# Altium PCB RFSoC-AMC.PcbDoc (part 6 of 12)
Units mm, origin at the board's own origin, x right, y up, seen from the top; angles counter-clockwise.
Board outline 180.55 x 148.45 mm, 10 copper layers (Layer 1, Layer 2, Layer 3, Layer 4, Layer 5, Layer 6, Layer 7, Layer 8, Layer 9, Layer 10), stack 1.544 mm thick; 793 components, 796 nets, 7654 pads, 16 vias.
Unrouted connection lines stored in the file: 2880.
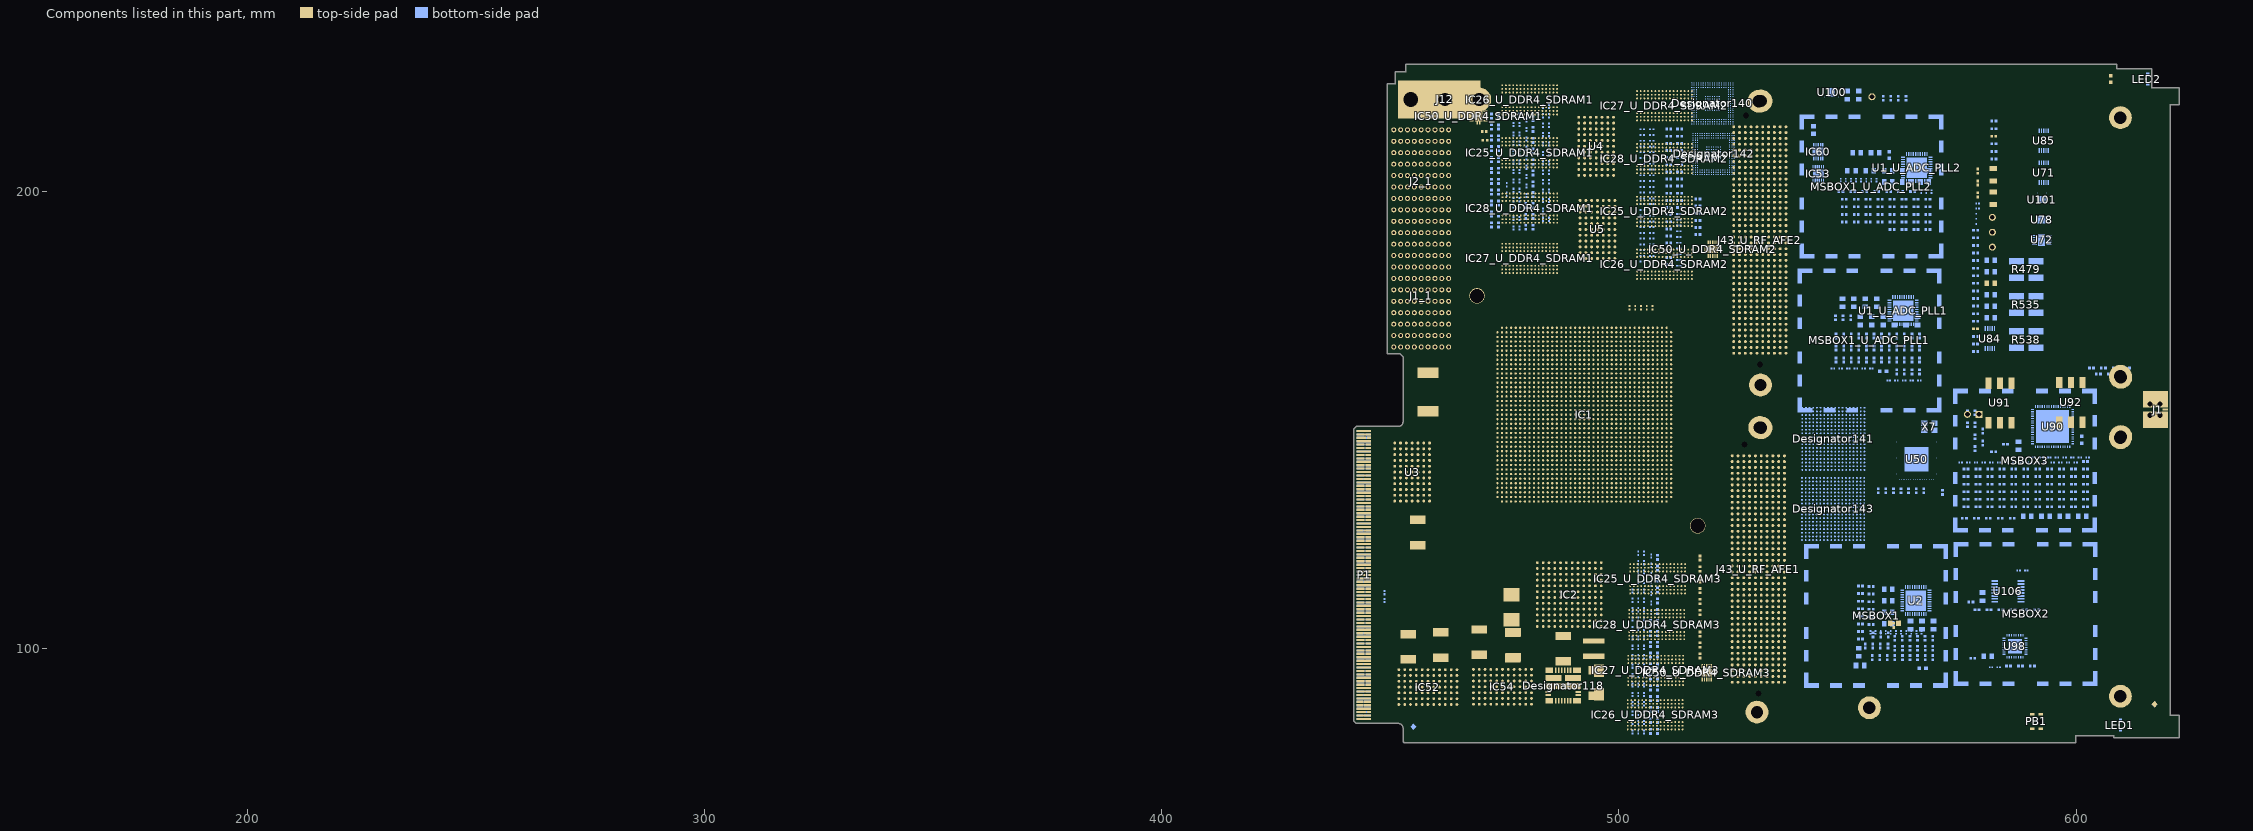
[diagram p14: the components of this part, seen from the top]

## Via types
v1: diameter 0.61, hole 0.3, Layer 1 to Layer 10, 11 vias
v2: diameter 0.51, hole 0.25, Layer 1 to Layer 10, 3 vias
v3: diameter 0.48, hole 0.25, Layer 1 to Layer 10, 2 vias

## Nets (pads, with @x,y where several pads share a name; then routed paths per layer and width w, separated by ;. In a path a pad name is that pad's centre, name@x,y a point inside that pad or via, vN(x,y) a via of type N, cw(c..) or ccw(c..) an arc to the next point about the centre after c; other vN are vias at no path point) (continued)
pads on no net: B1A.1 B1B.1 B2A.1 B2B.1 B3A.1 B3B.1 B4A.1 B4B.1 C755.1 C755.2 C819.1 C819.2 C1031.2 C1034.2 Designator110.1 Designator110.2 Designator118.1 Designator118.2 Designator118.3 Designator118.4 Designator118.5 Designator118.6 Designator118.7 Designator118.8 Designator118.9 Designator118.10 Designator118.11 Designator118.12 Designator118.13 Designator118.14 Designator118.15 Designator118.16 Designator118.17 Designator118.18 Designator118.19 Designator118.20 Designator118.21 Designator118.22 Designator118.23 Designator118.24 Designator119.1 Designator119.2 Designator120.1 Designator120.2 Designator121.1 Designator121.2 Designator122.1 Designator122.2 Designator123.1 Designator123.2 Designator140.A1 Designator140.A2 Designator140.A3 Designator140.A4 Designator140.A5 Designator140.A6 Designator140.A7 Designator140.A8 Designator140.A9 Designator140.A10 Designator140.A11 Designator140.A12 Designator140.A13 Designator140.A14 Designator140.A15 Designator140.A16 Designator140.A17 Designator140.A18 Designator140.A19 Designator140.B1 Designator140.B2 Designator140.B3 Designator140.B4 Designator140.B5 Designator140.B6 Designator140.B7 Designator140.B8 Designator140.B9 Designator140.B10 Designator140.B11 Designator140.B12 Designator140.B13 Designator140.B14 Designator140.B15 Designator140.B16 Designator140.B17 Designator140.B18 Designator140.B19 Designator140.C1 Designator140.C2 Designator140.C3 Designator140.C4 Designator140.C5 Designator140.C6 Designator140.C7 Designator140.C8 Designator140.C9 Designator140.C10 Designator140.C11 Designator140.C12 Designator140.C13 Designator140.C14 Designator140.C15 Designator140.C16 Designator140.C17 Designator140.C18 Designator140.C19 Designator140.D1 Designator140.D2 Designator140.D3 Designator140.D17 Designator140.D18 Designator140.D19 Designator140.E1 Designator140.E2 Designator140.E3 Designator140.E17 Designator140.E18 Designator140.E19 Designator140.F1 Designator140.F2 Designator140.F3 Designator140.F17 Designator140.F18 Designator140.F19 Designator140.G1 Designator140.G2 Designator140.G3 Designator140.G7 Designator140.G8 Designator140.G9 Designator140.G10 Designator140.G11 Designator140.G12 Designator140.G13 Designator140.G17 Designator140.G18 Designator140.G19 Designator140.H1 Designator140.H2 Designator140.H3 Designator140.H7 Designator140.H8 Designator140.H9 Designator140.H10 Designator140.H11 Designator140.H12 Designator140.H13 Designator140.H17 Designator140.H18 Designator140.H19 Designator140.J1 Designator140.J2 Designator140.J3 Designator140.J7 Designator140.J8 Designator140.J9 Designator140.J10 Designator140.J11 Designator140.J12 Designator140.J13 Designator140.J17 Designator140.J18 Designator140.J19 Designator140.K1 Designator140.K2 Designator140.K3 Designator140.K7 Designator140.K8 Designator140.K12 Designator140.K13 Designator140.K17 Designator140.K18 Designator140.K19 Designator140.L1 Designator140.L2 Designator140.L3 Designator140.L7 Designator140.L8 Designator140.L9 Designator140.L10 Designator140.L11 Designator140.L12 Designator140.L13 Designator140.L17 Designator140.L18 Designator140.L19 Designator140.M1 Designator140.M2 Designator140.M3 Designator140.M7 Designator140.M8 Designator140.M9 Designator140.M10 Designator140.M11 Designator140.M12 Designator140.M13 Designator140.M17 Designator140.M18 Designator140.M19 Designator140.N1 Designator140.N2 Designator140.N3 Designator140.N7 Designator140.N8 Designator140.N9 Designator140.N10 Designator140.N11 Designator140.N12 Designator140.N13 Designator140.N17 Designator140.N18 Designator140.N19 Designator140.P1 Designator140.P2 Designator140.P3 Designator140.P17 Designator140.P18 Designator140.P19 Designator140.R1 Designator140.R2 Designator140.R3 Designator140.R17 Designator140.R18 Designator140.R19 Designator140.T1 Designator140.T2 Designator140.T3 Designator140.T17 Designator140.T18 Designator140.T19 Designator140.U1 Designator140.U2 Designator140.U3 Designator140.U4 Designator140.U5 Designator140.U6 Designator140.U7 Designator140.U8 Designator140.U9 Designator140.U10 Designator140.U11 Designator140.U12 Designator140.U13 Designator140.U14 Designator140.U15 Designator140.U16 Designator140.U17 Designator140.U18 Designator140.U19 Designator140.V1 Designator140.V2 Designator140.V3 Designator140.V4 Designator140.V5 Designator140.V6 Designator140.V7 Designator140.V8 Designator140.V9 Designator140.V10 Designator140.V11 Designator140.V12 Designator140.V13 Designator140.V14 Designator140.V15 Designator140.V16 Designator140.V17 Designator140.V18 Designator140.V19 Designator140.W1 Designator140.W2 Designator140.W3 Designator140.W4 Designator140.W5 Designator140.W6 Designator140.W7 Designator140.W8 Designator140.W9 Designator140.W10 Designator140.W11 Designator140.W12 Designator140.W13 Designator140.W14 Designator140.W15 Designator140.W16 Designator140.W17 Designator140.W18 Designator140.W19 Designator141.A1 Designator141.A2 Designator141.A3 Designator141.A4 Designator141.A5 Designator141.A6 Designator141.A7 Designator141.A8 Designator141.A9 Designator141.A10 Designator141.A11 Designator141.A12 Designator141.A13 Designator141.A14 Designator141.A15 Designator141.A16 Designator141.A17 Designator141.A18 Designator141.B1 Designator141.B2 Designator141.B3 Designator141.B4 Designator141.B5 Designator141.B6 Designator141.B7 Designator141.B8 Designator141.B9 Designator141.B10 Designator141.B11 Designator141.B12 Designator141.B13 Designator141.B14 Designator141.B15 Designator141.B16 Designator141.B17 Designator141.B18 Designator141.C1 Designator141.C2 Designator141.C3 Designator141.C4 Designator141.C5 Designator141.C6 Designator141.C7 Designator141.C8 Designator141.C9 Designator141.C10 Designator141.C11 Designator141.C12 Designator141.C13 Designator141.C14 Designator141.C15 Designator141.C16 Designator141.C17 Designator141.C18 Designator141.D1 Designator141.D2 Designator141.D3 Designator141.D4 Designator141.D5 Designator141.D6 Designator141.D7 Designator141.D8 Designator141.D9 Designator141.D10 Designator141.D11 Designator141.D12 Designator141.D13 Designator141.D14 Designator141.D15 Designator141.D16 Designator141.D17 Designator141.D18 Designator141.E1 Designator141.E2 Designator141.E3 Designator141.E4 Designator141.E5 Designator141.E6 Designator141.E7 Designator141.E8 Designator141.E9 Designator141.E10 Designator141.E11 Designator141.E12 Designator141.E13 Designator141.E14 Designator141.E15 Designator141.E16 Designator141.E17 Designator141.E18 Designator141.F1 Designator141.F2 Designator141.F3 Designator141.F4 Designator141.F5 Designator141.F6 Designator141.F7 Designator141.F8 Designator141.F9 Designator141.F10 Designator141.F11 Designator141.F12 Designator141.F13 Designator141.F14 Designator141.F15 Designator141.F16 Designator141.F17 Designator141.F18 Designator141.G1 Designator141.G2 Designator141.G3 Designator141.G4 Designator141.G5 Designator141.G6 Designator141.G7 Designator141.G8 Designator141.G9 Designator141.G10 Designator141.G11 Designator141.G12 Designator141.G13 Designator141.G14 Designator141.G15 Designator141.G16 Designator141.G17 Designator141.G18 Designator141.H1 Designator141.H2 Designator141.H3 Designator141.H4 Designator141.H5 Designator141.H6 Designator141.H7 Designator141.H8 Designator141.H9 Designator141.H10 Designator141.H11 Designator141.H12 Designator141.H13 Designator141.H14 Designator141.H15 Designator141.H16 Designator141.H17 Designator141.H18 Designator141.J1 Designator141.J2 Designator141.J3 Designator141.J4 Designator141.J5 Designator141.J6 Designator141.J7 Designator141.J8 Designator141.J9 Designator141.J10 Designator141.J11 Designator141.J12 Designator141.J13 Designator141.J14 Designator141.J15 Designator141.J16 Designator141.J17 Designator141.J18 Designator141.K1 Designator141.K2 Designator141.K3 Designator141.K4 Designator141.K5 Designator141.K6 Designator141.K7 Designator141.K8 Designator141.K9 Designator141.K10 Designator141.K11 Designator141.K12 Designator141.K13 Designator141.K14 Designator141.K15 Designator141.K16 Designator141.K17 Designator141.K18 Designator141.L1 Designator141.L2 Designator141.L3 Designator141.L4 Designator141.L5 Designator141.L6 Designator141.L7 Designator141.L8 Designator141.L9 Designator141.L10 Designator141.L11 Designator141.L12 Designator141.L13 Designator141.L14 Designator141.L15 Designator141.L16 Designator141.L17 Designator141.L18 Designator141.M1 Designator141.M2 Designator141.M3 Designator141.M4 Designator141.M5 Designator141.M6 Designator141.M7 Designator141.M8 Designator141.M9 Designator141.M10 Designator141.M11 Designator141.M12 Designator141.M13 Designator141.M14 Designator141.M15 Designator141.M16 Designator141.M17 Designator141.M18 Designator141.N1 Designator141.N2 Designator141.N3 Designator141.N4 Designator141.N5 Designator141.N6 Designator141.N7 Designator141.N8 Designator141.N9 Designator141.N10 Designator141.N11 Designator141.N12 Designator141.N13 Designator141.N14 Designator141.N15 Designator141.N16 Designator141.N17 Designator141.N18 Designator141.P1 Designator141.P2 Designator141.P3 Designator141.P4 Designator141.P5 Designator141.P6 Designator141.P7 Designator141.P8 Designator141.P9 Designator141.P10 Designator141.P11 Designator141.P12 Designator141.P13 Designator141.P14 Designator141.P15 Designator141.P16 Designator141.P17 Designator141.P18 Designator141.R1 Designator141.R2 Designator141.R3 Designator141.R4 Designator141.R5 Designator141.R6 Designator141.R7 Designator141.R8 Designator141.R9 Designator141.R10 Designator141.R11 Designator141.R12 Designator141.R13 Designator141.R14 Designator141.R15 Designator141.R16 Designator141.R17 Designator141.R18 Designator141.T1 Designator141.T2 Designator141.T3 Designator141.T4 Designator141.T5 Designator141.T6 Designator141.T7 Designator141.T8 Designator141.T9 Designator141.T10 Designator141.T11 Designator141.T12 Designator141.T13 Designator141.T14 Designator141.T15 Designator141.T16 Designator141.T17 Designator141.T18 Designator141.U1 Designator141.U2 Designator141.U3 Designator141.U4 Designator141.U5 Designator141.U6 Designator141.U7 Designator141.U8 Designator141.U9 Designator141.U10 Designator141.U11 Designator141.U12 Designator141.U13 Designator141.U14 Designator141.U15 Designator141.U16 Designator141.U17 Designator141.U18 Designator141.V1 Designator141.V2 Designator141.V3 Designator141.V4 Designator141.V5 Designator141.V6 Designator141.V7 Designator141.V8 Designator141.V9 Designator141.V10 Designator141.V11 Designator141.V12 Designator141.V13 Designator141.V14 Designator141.V15 Designator141.V16 Designator141.V17 Designator141.V18 Designator142.A1 Designator142.A2 Designator142.A3 Designator142.A4 Designator142.A5 Designator142.A6 Designator142.A7 Designator142.A8 Designator142.A9 Designator142.A10 Designator142.A11 Designator142.A12 Designator142.A13 Designator142.A14 Designator142.A15 Designator142.A16 Designator142.A17 Designator142.A18 Designator142.A19 Designator142.B1 Designator142.B2 Designator142.B3 Designator142.B4 Designator142.B5 Designator142.B6 Designator142.B7 Designator142.B8 Designator142.B9 Designator142.B10 Designator142.B11 Designator142.B12 Designator142.B13 Designator142.B14 Designator142.B15 Designator142.B16 Designator142.B17 Designator142.B18 Designator142.B19 Designator142.C1 Designator142.C2 Designator142.C3 Designator142.C4 Designator142.C5 Designator142.C6 Designator142.C7 Designator142.C8 Designator142.C9 Designator142.C10 Designator142.C11 Designator142.C12 Designator142.C13 Designator142.C14 Designator142.C15 Designator142.C16 Designator142.C17 Designator142.C18 Designator142.C19 Designator142.D1 Designator142.D2 Designator142.D3 Designator142.D17 Designator142.D18 Designator142.D19 Designator142.E1 Designator142.E2 Designator142.E3 Designator142.E17 Designator142.E18 Designator142.E19 Designator142.F1 Designator142.F2 Designator142.F3 Designator142.F17 Designator142.F18 Designator142.F19 Designator142.G1 Designator142.G2 Designator142.G3 Designator142.G7 Designator142.G8 Designator142.G9 Designator142.G10 Designator142.G11 Designator142.G12 Designator142.G13 Designator142.G17 Designator142.G18 Designator142.G19 Designator142.H1 Designator142.H2 Designator142.H3 Designator142.H7 Designator142.H8 Designator142.H9 Designator142.H10 Designator142.H11 Designator142.H12 Designator142.H13 Designator142.H17 Designator142.H18 Designator142.H19 Designator142.J1 Designator142.J2 Designator142.J3 Designator142.J7 Designator142.J8 Designator142.J9 Designator142.J10 Designator142.J11 Designator142.J12 Designator142.J13 Designator142.J17 Designator142.J18 Designator142.J19 Designator142.K1 Designator142.K2 Designator142.K3 Designator142.K7 Designator142.K8 Designator142.K12 Designator142.K13 Designator142.K17 Designator142.K18 Designator142.K19 Designator142.L1 Designator142.L2 Designator142.L3 Designator142.L7 Designator142.L8 Designator142.L9 Designator142.L10 Designator142.L11 Designator142.L12 Designator142.L13 Designator142.L17 Designator142.L18 Designator142.L19 Designator142.M1 Designator142.M2 Designator142.M3 Designator142.M7 Designator142.M8 Designator142.M9 Designator142.M10 Designator142.M11 Designator142.M12 Designator142.M13 Designator142.M17 Designator142.M18 Designator142.M19 Designator142.N1 Designator142.N2 Designator142.N3 Designator142.N7 Designator142.N8 Designator142.N9 Designator142.N10 Designator142.N11 Designator142.N12 Designator142.N13 Designator142.N17 Designator142.N18 Designator142.N19 Designator142.P1 Designator142.P2 Designator142.P3 Designator142.P17 Designator142.P18 Designator142.P19 Designator142.R1 Designator142.R2 Designator142.R3 Designator142.R17 Designator142.R18 Designator142.R19 Designator142.T1 Designator142.T2 Designator142.T3 Designator142.T17 Designator142.T18 Designator142.T19 Designator142.U1 Designator142.U2 Designator142.U3 Designator142.U4 Designator142.U5 Designator142.U6 Designator142.U7 Designator142.U8 Designator142.U9 Designator142.U10 Designator142.U11 Designator142.U12 Designator142.U13 Designator142.U14 Designator142.U15 Designator142.U16 Designator142.U17 Designator142.U18 Designator142.U19 Designator142.V1 Designator142.V2 Designator142.V3 Designator142.V4 Designator142.V5 Designator142.V6 Designator142.V7 Designator142.V8 Designator142.V9 Designator142.V10 Designator142.V11 Designator142.V12 Designator142.V13 Designator142.V14 Designator142.V15 Designator142.V16 Designator142.V17 Designator142.V18 Designator142.V19 Designator142.W1 Designator142.W2 Designator142.W3 Designator142.W4 Designator142.W5 Designator142.W6 Designator142.W7 Designator142.W8 Designator142.W9 Designator142.W10 Designator142.W11 Designator142.W12 Designator142.W13 Designator142.W14 Designator142.W15 Designator142.W16 Designator142.W17 Designator142.W18 Designator142.W19 Designator143.A1 Designator143.A2 Designator143.A3 Designator143.A4 Designator143.A5 Designator143.A6 Designator143.A7 Designator143.A8 Designator143.A9 Designator143.A10 Designator143.A11 Designator143.A12 Designator143.A13 Designator143.A14 Designator143.A15 Designator143.A16 Designator143.A17 Designator143.A18 Designator143.B1 Designator143.B2 Designator143.B3 Designator143.B4 Designator143.B5 Designator143.B6 Designator143.B7 Designator143.B8 Designator143.B9 Designator143.B10 Designator143.B11 Designator143.B12 Designator143.B13 Designator143.B14 Designator143.B15 Designator143.B16 Designator143.B17 Designator143.B18 Designator143.C1 Designator143.C2 Designator143.C3 Designator143.C4 Designator143.C5 Designator143.C6 Designator143.C7 Designator143.C8 Designator143.C9 Designator143.C10 Designator143.C11 Designator143.C12 Designator143.C13 Designator143.C14 Designator143.C15 Designator143.C16 Designator143.C17 Designator143.C18 Designator143.D1 Designator143.D2 Designator143.D3 Designator143.D4 Designator143.D5 Designator143.D6 Designator143.D7 Designator143.D8 Designator143.D9 Designator143.D10 Designator143.D11 Designator143.D12 Designator143.D13 Designator143.D14 Designator143.D15 Designator143.D16 Designator143.D17 Designator143.D18 Designator143.E1 Designator143.E2 Designator143.E3 Designator143.E4 Designator143.E5 Designator143.E6 Designator143.E7 Designator143.E8 Designator143.E9 Designator143.E10 Designator143.E11 Designator143.E12 Designator143.E13 Designator143.E14 Designator143.E15 Designator143.E16 Designator143.E17 Designator143.E18 Designator143.F1 Designator143.F2 Designator143.F3 Designator143.F4 Designator143.F5 Designator143.F6 Designator143.F7 Designator143.F8 Designator143.F9 Designator143.F10 Designator143.F11 Designator143.F12 Designator143.F13 Designator143.F14 Designator143.F15 Designator143.F16 Designator143.F17 Designator143.F18 Designator143.G1 Designator143.G2 Designator143.G3 Designator143.G4 Designator143.G5 Designator143.G6 Designator143.G7 Designator143.G8 Designator143.G9 Designator143.G10 Designator143.G11 Designator143.G12 Designator143.G13 Designator143.G14 Designator143.G15 Designator143.G16 Designator143.G17 Designator143.G18 Designator143.H1 Designator143.H2 Designator143.H3 Designator143.H4 Designator143.H5 Designator143.H6 Designator143.H7 Designator143.H8 Designator143.H9 Designator143.H10 Designator143.H11 Designator143.H12 Designator143.H13 Designator143.H14 Designator143.H15 Designator143.H16 Designator143.H17 Designator143.H18 Designator143.J1 Designator143.J2 Designator143.J3 Designator143.J4 Designator143.J5 Designator143.J6 Designator143.J7 Designator143.J8 Designator143.J9 Designator143.J10 Designator143.J11 Designator143.J12 Designator143.J13 Designator143.J14 Designator143.J15 Designator143.J16 Designator143.J17 Designator143.J18 Designator143.K1 Designator143.K2 Designator143.K3 Designator143.K4 Designator143.K5 Designator143.K6 Designator143.K7 Designator143.K8 Designator143.K9 Designator143.K10 Designator143.K11 Designator143.K12 Designator143.K13 Designator143.K14 Designator143.K15 Designator143.K16 Designator143.K17 Designator143.K18 Designator143.L1 Designator143.L2 Designator143.L3 Designator143.L4 Designator143.L5 Designator143.L6 Designator143.L7 Designator143.L8 Designator143.L9 Designator143.L10 Designator143.L11 Designator143.L12 Designator143.L13 Designator143.L14 Designator143.L15 Designator143.L16 Designator143.L17 Designator143.L18 Designator143.M1 Designator143.M2 Designator143.M3 Designator143.M4 Designator143.M5 Designator143.M6 Designator143.M7 Designator143.M8 Designator143.M9 Designator143.M10 Designator143.M11 Designator143.M12 Designator143.M13 Designator143.M14 Designator143.M15 Designator143.M16 Designator143.M17 Designator143.M18 Designator143.N1 Designator143.N2 Designator143.N3 Designator143.N4 Designator143.N5 Designator143.N6 Designator143.N7 Designator143.N8 Designator143.N9 Designator143.N10 Designator143.N11 Designator143.N12 Designator143.N13 Designator143.N14 Designator143.N15 Designator143.N16 Designator143.N17 Designator143.N18 Designator143.P1 Designator143.P2 Designator143.P3 Designator143.P4 Designator143.P5 Designator143.P6 Designator143.P7 Designator143.P8 Designator143.P9 Designator143.P10 Designator143.P11 Designator143.P12 Designator143.P13 Designator143.P14 Designator143.P15 Designator143.P16 Designator143.P17 Designator143.P18 Designator143.R1 Designator143.R2 Designator143.R3 Designator143.R4 Designator143.R5 Designator143.R6 Designator143.R7 Designator143.R8 Designator143.R9 Designator143.R10 Designator143.R11 Designator143.R12 Designator143.R13 Designator143.R14 Designator143.R15 Designator143.R16 Designator143.R17 Designator143.R18 Designator143.T1 Designator143.T2 Designator143.T3 Designator143.T4 Designator143.T5 Designator143.T6 Designator143.T7 Designator143.T8 Designator143.T9 Designator143.T10 Designator143.T11 Designator143.T12 Designator143.T13 Designator143.T14 Designator143.T15 Designator143.T16 Designator143.T17 Designator143.T18 Designator143.U1 Designator143.U2 Designator143.U3 Designator143.U4 Designator143.U5 Designator143.U6 Designator143.U7 Designator143.U8 Designator143.U9 Designator143.U10 Designator143.U11 Designator143.U12 Designator143.U13 Designator143.U14 Designator143.U15 